# Altium PCB top.PcbDoc (part 3 of 5)
Units mil, origin at the board's own origin, x right, y up, seen from the top; angles counter-clockwise.
Board outline 12029.02 x 5828 mil, 2 copper layers (Top Layer, Bottom Layer); 703 components, 430 nets, 1840 pads, 2249 vias.
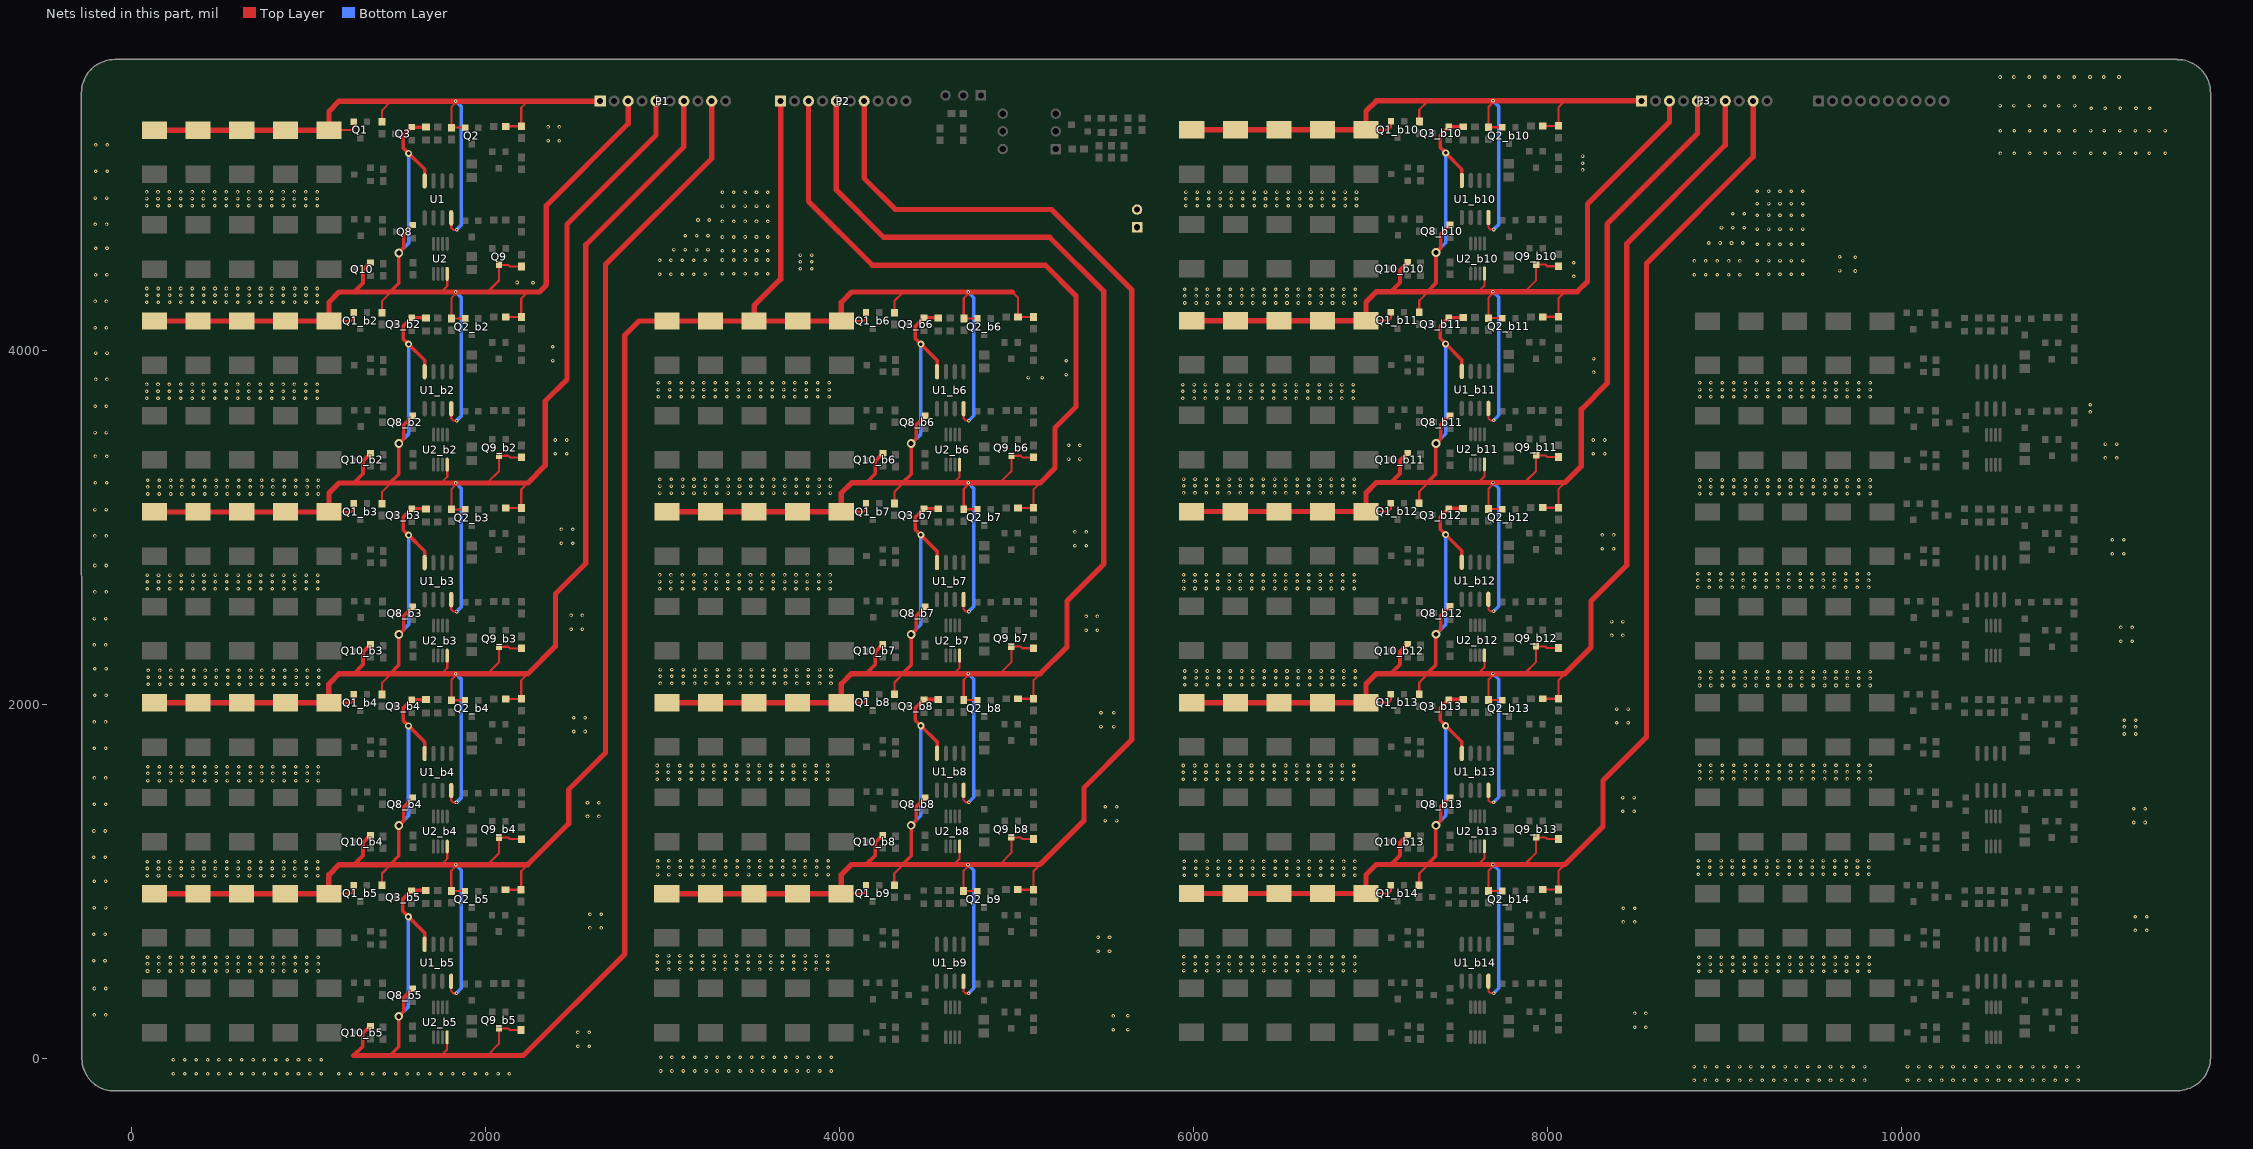
[diagram p3: the nets of this part, all layers, seen from the top]

## Via types
v1: diameter 20, hole 10, Top Layer to Bottom Layer, 2208 vias
v2: diameter 50, hole 28, Top Layer to Bottom Layer, 19 vias
v3: diameter 40, hole 20, Top Layer to Bottom Layer, 18 vias
v4: diameter 125.98, hole 125.98, Top Layer to Bottom Layer, 4 vias

## Nets (pads, with @x,y where several pads share a name; then routed paths per layer and width w, separated by ;. In a path a pad name is that pad's centre, name@x,y a point inside that pad or via, vN(x,y) a via of type N, cw(c..) or ccw(c..) an arc to the next point about the centre after c; other vN are vias at no path point) (continued)
GND: P6.1 P6.2
  other v1: 8830,-123 8894.25,-123 8958.5,-123 9022.75,-123 9087,-123 9151.25,-123 9215.5,-123 9279.75,-123 9344,-123 9408.25,-123 9472.5,-123 9536.75,-123 9601,-123 9665.25,-123 9729.5,-123 9793.75,-123 10036,-123 10100.25,-123 10164.5,-123 10228.75,-123 10293,-123 10357.25,-123 10421.5,-123 10485.75,-123 10550,-123 10614.25,-123 10678.5,-123 10742.75,-123 10807,-123 10871.25,-123 10935.5,-123 10999.75,-123 238.5,-85 302.75,-85 367,-85 431.25,-85 495.5,-85 559.75,-85 624,-85 688.25,-85 752.5,-85 816.75,-85 881,-85 945.25,-85 1009.5,-85 1073.75,-85 1173,-85 1237.25,-85 1301.5,-85 1365.75,-85 1430,-85 1494.25,-85 1558.5,-85 1622.75,-85 1687,-85 1751.25,-85 1815.5,-85 1879.75,-85 1944,-85 2008.25,-85 2072.5,-85 2136.75,-85 2991,-70 3055.25,-70 3119.5,-70 3183.75,-70 3248,-70 3312.25,-70 3376.5,-70 3440.75,-70 3505,-70 3569.25,-70 3633.5,-70 3697.75,-70 3762,-70 3826.25,-70 3890.5,-70 3954.75,-70 8830,-45 8894.25,-45 8958.5,-45 9022.75,-45 9087,-45 9151.25,-45 9215.5,-45 9279.75,-45 9344,-45 9408.25,-45 9472.5,-45 9536.75,-45 9601,-45 9665.25,-45 9729.5,-45 9793.75,-45 10036,-45 10100.25,-45 10164.5,-45 10228.75,-45 10293,-45 10357.25,-45 10421.5,-45 10485.75,-45 10550,-45 10614.25,-45 10678.5,-45 10742.75,-45 10807,-45 10871.25,-45 10935.5,-45 10999.75,-45 238.5,-7 302.75,-7 367,-7 431.25,-7 495.5,-7 559.75,-7 624,-7 688.25,-7 752.5,-7 816.75,-7 881,-7 945.25,-7 1009.5,-7 1073.75,-7 2991,8 3055.25,8 3119.5,8 3183.75,8 3248,8 3312.25,8 3376.5,8 3440.75,8 3505,8 3569.25,8 3633.5,8 3697.75,8 3762,8 3826.25,8 3890.5,8 3954.75,8 2524,70 2588.25,70 2524,148 2588.25,148 5549,163 5631.25,164 8494,177 8558.25,177 5549,241 5631.25,242 -208.25,247 -144,247 8494,255 8558.25,255 -208,396 -143.75,396 8856,494 8920.25,494 8984.5,494 9048.75,494 9113,494 9177.25,494 9241.5,494 9305.75,494 9370,494 9434.25,494 9498.5,494 9562.75,494 9627,494 9691.25,494 9755.5,494 9819.75,494 92,495 156.25,495 220.5,495 284.75,495 349,495 413.25,495 477.5,495 541.75,495 606,495 670.25,495 734.5,495 798.75,495 863,495 927.25,495 991.5,495 1055.75,495 5948,497 6012.25,497 6076.5,497 6140.75,497 6205,497 6269.25,497 6333.5,497 6397.75,497 6462,497 6526.25,497 6590.5,497 6654.75,497 6719,497 6783.25,497 6847.5,497 6911.75,497 2972,504 3036.25,504 3100.5,504 3164.75,504 3229,504 3293.25,504 3357.5,504 3421.75,504 3486,504 3550.25,504 3614.5,504 3678.75,504 3743,504 3807.25,504 3871.5,504 3935.75,504 8856,534 8920.25,534 8984.5,534 9048.75,534 9113,534 9177.25,534 9241.5,534 9305.75,534 9370,534 9434.25,534 9498.5,534 9562.75,534 9627,534 9691.25,534 9755.5,534 9819.75,534 92,535 156.25,535 220.5,535 284.75,535 349,535 413.25,535 477.5,535 541.75,535 606,535 670.25,535 734.5,535 798.75,535 863,535 927.25,535 991.5,535 1055.75,535 5948,537 6012.25,537 6076.5,537 6140.75,537 6205,537 6269.25,537 6333.5,537 6397.75,537 6462,537 6526.25,537 6590.5,537 6654.75,537 6719,537 6783.25,537 6847.5,537 6911.75,537 2972,544 3036.25,544 3100.5,544 3164.75,544 3229,544 3293.25,544 3357.5,544 3421.75,544 3486,544 3550.25,544 3614.5,544 3678.75,544 3743,544 3807.25,544 3871.5,544 3935.75,544 -212.25,553 -148,553 8856,572 8920.25,572 8984.5,572 9048.75,572 9113,572 9177.25,572 9241.5,572 9305.75,572 9370,572 9434.25,572 9498.5,572 9562.75,572 9627,572 9691.25,572 9755.5,572 9819.75,572 92,573 156.25,573 220.5,573 284.75,573 349,573 413.25,573 477.5,573 541.75,573 606,573 670.25,573 734.5,573 798.75,573 863,573 927.25,573 991.5,573 1055.75,573 5948,575 6012.25,575 6076.5,575 6140.75,575 6205,575 6269.25,575 6333.5,575 6397.75,575 6462,575 6526.25,575 6590.5,575 6654.75,575 6719,575 6783.25,575 6847.5,575 6911.75,575 2972,582 3036.25,582 3100.5,582 3164.75,582 3229,582 3293.25,582 3357.5,582 3421.75,582 3486,582 3550.25,582 3614.5,582 3678.75,582 3743,582 3807.25,582 3871.5,582 3935.75,582 5463,607 5527.25,607 5463,685 5527.25,685 -212,702 -147.75,702 11323,724 11387.25,724 2592,738 2656.25,738 8431,772 8495.25,772 11323,802 11387.25,802 2592,816 2656.25,816 8431,850 8495.25,850 -209.25,853 -145,853 -209,1002 -144.75,1002 90,1034 154.25,1034 218.5,1034 282.75,1034 347,1034 411.25,1034 475.5,1034 539.75,1034 604,1034 668.25,1034 732.5,1034 796.75,1034 861,1034 925.25,1034 989.5,1034 1053.75,1034 5950,1036 6014.25,1036 6078.5,1036 6142.75,1036 6207,1036 6271.25,1036 6335.5,1036 6399.75,1036 6464,1036 6528.25,1036 6592.5,1036 6656.75,1036 6721,1036 6785.25,1036 6849.5,1036 6913.75,1036 2974,1040 3038.25,1040 3102.5,1040 3166.75,1040 3231,1040 3295.25,1040 3359.5,1040 3423.75,1040 3488,1040 3552.25,1040 3616.5,1040 3680.75,1040 3745,1040 3809.25,1040 3873.5,1040 3937.75,1040 8854,1041 8918.25,1041 8982.5,1041 9046.75,1041 9111,1041 9175.25,1041 9239.5,1041 9303.75,1041 9368,1041 9432.25,1041 9496.5,1041 9560.75,1041 9625,1041 9689.25,1041 9753.5,1041 9817.75,1041 90,1074 154.25,1074 218.5,1074 282.75,1074 347,1074 411.25,1074 475.5,1074 539.75,1074 604,1074 668.25,1074 732.5,1074 796.75,1074 861,1074 925.25,1074 989.5,1074 1053.75,1074 5950,1076 6014.25,1076 6078.5,1076 6142.75,1076 6207,1076 6271.25,1076 6335.5,1076 6399.75,1076 6464,1076 6528.25,1076 6592.5,1076 6656.75,1076 6721,1076 6785.25,1076 6849.5,1076 6913.75,1076 2974,1080 3038.25,1080 3102.5,1080 3166.75,1080 3231,1080 3295.25,1080 3359.5,1080 3423.75,1080 3488,1080 3552.25,1080 3616.5,1080 3680.75,1080 3745,1080 3809.25,1080 3873.5,1080 3937.75,1080 8854,1081 8918.25,1081 8982.5,1081 9046.75,1081 9111,1081 9175.25,1081 9239.5,1081 9303.75,1081 9368,1081 9432.25,1081 9496.5,1081 9560.75,1081 9625,1081 9689.25,1081 9753.5,1081 9817.75,1081 90,1112 154.25,1112 218.5,1112 282.75,1112 347,1112 411.25,1112 475.5,1112 539.75,1112 604,1112 668.25,1112 732.5,1112 796.75,1112 861,1112 925.25,1112 989.5,1112 1053.75,1112 5950,1114 6014.25,1114 6078.5,1114 6142.75,1114 6207,1114 6271.25,1114 6335.5,1114 6399.75,1114 6464,1114 6528.25,1114 6592.5,1114 6656.75,1114 6721,1114 6785.25,1114 6849.5,1114 6913.75,1114 2974,1118 3038.25,1118 3102.5,1118 3166.75,1118 3231,1118 3295.25,1118 3359.5,1118 3423.75,1118 3488,1118 3552.25,1118 3616.5,1118 3680.75,1118 3745,1118 3809.25,1118 3873.5,1118 3937.75,1118 8854,1119 8918.25,1119 8982.5,1119 9046.75,1119 9111,1119 9175.25,1119 9239.5,1119 9303.75,1119 9368,1119 9432.25,1119 9496.5,1119 9560.75,1119 9625,1119 9689.25,1119 9753.5,1119 9817.75,1119 -211.25,1137 -147,1137 -211,1286 -146.75,1286 11314,1334 11378.25,1334 5503,1345 5567.25,1345 2578,1368 2642.25,1368 8427,1397 8491.25,1397 11314,1412 11378.25,1412 5503,1423 5567.25,1423 -208.25,1437 -144,1437 2578,1446 2642.25,1446 8427,1475 8491.25,1475 94,1571 158.25,1571 222.5,1571 286.75,1571 351,1571 415.25,1571 479.5,1571 543.75,1571 608,1571 672.25,1571 736.5,1571 800.75,1571 865,1571 929.25,1571 993.5,1571 1057.75,1571 2971,1578 3035.25,1578 3099.5,1578 3163.75,1578 3228,1578 3292.25,1578 3356.5,1578 3420.75,1578 3485,1578 3549.25,1578 3613.5,1578 3677.75,1578 3742,1578 3806.25,1578 3870.5,1578 3934.75,1578 5944,1578 6008.25,1578 6072.5,1578 6136.75,1578 6201,1578 6265.25,1578 6329.5,1578 6393.75,1578 6458,1578 6522.25,1578 6586.5,1578 6650.75,1578 6715,1578 6779.25,1578 6843.5,1578 6907.75,1578 8861,1580 8925.25,1580 8989.5,1580 9053.75,1580 9118,1580 9182.25,1580 9246.5,1580 9310.75,1580 9375,1580 9439.25,1580 9503.5,1580 9567.75,1580 9632,1580 9696.25,1580 9760.5,1580 9824.75,1580 -208,1586 -143.75,1586 94,1611 158.25,1611 222.5,1611 286.75,1611 351,1611 415.25,1611 479.5,1611 543.75,1611 608,1611 672.25,1611 736.5,1611 800.75,1611 865,1611 929.25,1611 993.5,1611 1057.75,1611 2971,1618 3035.25,1618 3099.5,1618 3163.75,1618 3228,1618 3292.25,1618 3356.5,1618 3420.75,1618 3485,1618 3549.25,1618 3613.5,1618 3677.75,1618 3742,1618 3806.25,1618 3870.5,1618 3934.75,1618 5944,1618 6008.25,1618 6072.5,1618 6136.75,1618 6201,1618 6265.25,1618 6329.5,1618 6393.75,1618 6458,1618 6522.25,1618 6586.5,1618 6650.75,1618 6715,1618 6779.25,1618 6843.5,1618 6907.75,1618 8861,1620 8925.25,1620 8989.5,1620 9053.75,1620 9118,1620 9182.25,1620 9246.5,1620 9310.75,1620 9375,1620 9439.25,1620 9503.5,1620 9567.75,1620 9632,1620 9696.25,1620 9760.5,1620 9824.75,1620 94,1649 158.25,1649 222.5,1649 286.75,1649 351,1649 415.25,1649 479.5,1649 543.75,1649 608,1649 672.25,1649 736.5,1649 800.75,1649 865,1649 929.25,1649 993.5,1649 1057.75,1649 2971,1656 3035.25,1656 3099.5,1656 3163.75,1656 3228,1656 3292.25,1656 3356.5,1656 3420.75,1656 3485,1656 3549.25,1656 3613.5,1656 3677.75,1656 3742,1656 3806.25,1656 3870.5,1656 3934.75,1656 5944,1656 6008.25,1656 6072.5,1656 6136.75,1656 6201,1656 6265.25,1656 6329.5,1656 6393.75,1656 6458,1656 6522.25,1656 6586.5,1656 6650.75,1656 6715,1656 6779.25,1656 6843.5,1656 6907.75,1656 8861,1658 8925.25,1658 8989.5,1658 9053.75,1658 9118,1658 9182.25,1658 9246.5,1658 9310.75,1658 9375,1658 9439.25,1658 9503.5,1658 9567.75,1658 9632,1658 9696.25,1658 9760.5,1658 9824.75,1658 -209.25,1753 -145,1753 11261,1834 11325.25,1834 2500,1848 2564.25,1848 11261,1874 11325.25,1874 5479.25,1876 5552.25,1876 8393,1897 8457.25,1897 -209,1902 -144.75,1902 11261,1912 11325.25,1912 2500,1926 2564.25,1926 5479.25,1954 5552.25,1954 8393,1975 8457.25,1975 -206.25,2053 -142,2053 8861,2108 8925.25,2108 8989.5,2108 9053.75,2108 9118,2108 9182.25,2108 9246.5,2108 9310.75,2108 9375,2108 9439.25,2108 9503.5,2108 9567.75,2108 9632,2108 9696.25,2108 9760.5,2108 9824.75,2108 5952,2112 6016.25,2112 6080.5,2112 6144.75,2112 6209,2112 6273.25,2112 6337.5,2112 6401.75,2112 6466,2112 6530.25,2112 6594.5,2112 6658.75,2112 6723,2112 6787.25,2112 6851.5,2112 6915.75,2112 96,2115 160.25,2115 224.5,2115 288.75,2115 353,2115 417.25,2115 481.5,2115 545.75,2115 610,2115 674.25,2115 738.5,2115 802.75,2115 867,2115 931.25,2115 995.5,2115 1059.75,2115 2990,2120 3054.25,2120 3118.5,2120 3182.75,2120 3247,2120 3311.25,2120 3375.5,2120 3439.75,2120 3504,2120 3568.25,2120 3632.5,2120 3696.75,2120 3761,2120 3825.25,2120 3889.5,2120 3953.75,2120 8861,2148 8925.25,2148 8989.5,2148 9053.75,2148 9118,2148 9182.25,2148 9246.5,2148 9310.75,2148 9375,2148 9439.25,2148 9503.5,2148 9567.75,2148 9632,2148 9696.25,2148 9760.5,2148 9824.75,2148 5952,2152 6016.25,2152 6080.5,2152 6144.75,2152 6209,2152 6273.25,2152 6337.5,2152 6401.75,2152 6466,2152 6530.25,2152 6594.5,2152 6658.75,2152 6723,2152 6787.25,2152 6851.5,2152 6915.75,2152 96,2155 160.25,2155 224.5,2155 288.75,2155 353,2155 417.25,2155 481.5,2155 545.75,2155 610,2155 674.25,2155 738.5,2155 802.75,2155 867,2155 931.25,2155 995.5,2155 1059.75,2155 2990,2160 3054.25,2160 3118.5,2160 3182.75,2160 3247,2160 3311.25,2160 3375.5,2160 3439.75,2160 3504,2160 3568.25,2160 3632.5,2160 3696.75,2160 3761,2160 3825.25,2160 3889.5,2160 3953.75,2160 8861,2186 8925.25,2186 8989.5,2186 9053.75,2186 9118,2186 9182.25,2186 9246.5,2186 9310.75,2186 9375,2186 9439.25,2186 9503.5,2186 9567.75,2186 9632,2186 9696.25,2186 9760.5,2186 9824.75,2186 5952,2190 6016.25,2190 6080.5,2190 6144.75,2190 6209,2190 6273.25,2190 6337.5,2190 6401.75,2190 6466,2190 6530.25,2190 6594.5,2190 6658.75,2190 6723,2190 6787.25,2190 6851.5,2190 6915.75,2190 96,2193 160.25,2193 224.5,2193 288.75,2193 353,2193 417.25,2193 481.5,2193 545.75,2193 610,2193 674.25,2193 738.5,2193 802.75,2193 867,2193 931.25,2193 995.5,2193 1059.75,2193 2990,2198 3054.25,2198 3118.5,2198 3182.75,2198 3247,2198 3311.25,2198 3375.5,2198 3439.75,2198 3504,2198 3568.25,2198 3632.5,2198 3696.75,2198 3761,2198 3825.25,2198 3889.5,2198 3953.75,2198 -206,2202 -141.75,2202 -208.25,2337 -144,2337 11242,2358 11306.25,2358 8364,2391 8428.25,2391 5395,2420 5459.25,2420 2485,2426 2549.25,2426 11242,2436 11306.25,2436 8364,2469 8428.25,2469 -208,2486 -143.75,2486 5395,2498 5459.25,2498 2485,2504 2549.25,2504 -205.25,2637 -141,2637 90,2654 154.25,2654 218.5,2654 282.75,2654 347,2654 411.25,2654 475.5,2654 539.75,2654 604,2654 668.25,2654 732.5,2654 796.75,2654 861,2654 925.25,2654 989.5,2654 1053.75,2654 2985,2655 3049.25,2655 3113.5,2655 3177.75,2655 3242,2655 3306.25,2655 3370.5,2655 3434.75,2655 3499,2655 3563.25,2655 3627.5,2655 3691.75,2655 3756,2655 3820.25,2655 3884.5,2655 3948.75,2655 5946,2656 6010.25,2656 6074.5,2656 6138.75,2656 6203,2656 6267.25,2656 6331.5,2656 6395.75,2656 6460,2656 6524.25,2656 6588.5,2656 6652.75,2656 6717,2656 6781.25,2656 6845.5,2656 6909.75,2656 8852,2662 8916.25,2662 8980.5,2662 9044.75,2662 9109,2662 9173.25,2662 9237.5,2662 9301.75,2662 9366,2662 9430.25,2662 9494.5,2662 9558.75,2662 9623,2662 9687.25,2662 9751.5,2662 9815.75,2662 90,2694 154.25,2694 218.5,2694 282.75,2694 347,2694 411.25,2694 475.5,2694 539.75,2694 604,2694 668.25,2694 732.5,2694 796.75,2694 861,2694 925.25,2694 989.5,2694 1053.75,2694 2985,2695 3049.25,2695 3113.5,2695 3177.75,2695 3242,2695 3306.25,2695 3370.5,2695 3434.75,2695 3499,2695 3563.25,2695 3627.5,2695 3691.75,2695 3756,2695 3820.25,2695 3884.5,2695 3948.75,2695 5946,2696 6010.25,2696 6074.5,2696 6138.75,2696 6203,2696 6267.25,2696 6331.5,2696 6395.75,2696 6460,2696 6524.25,2696 6588.5,2696 6652.75,2696 6717,2696 6781.25,2696 6845.5,2696 6909.75,2696 8852,2702 8916.25,2702 8980.5,2702 9044.75,2702 9109,2702 9173.25,2702 9237.5,2702 9301.75,2702 9366,2702 9430.25,2702 9494.5,2702 9558.75,2702 9623,2702 9687.25,2702 9751.5,2702 9815.75,2702 90,2732 154.25,2732 218.5,2732 282.75,2732 347,2732 411.25,2732 475.5,2732 539.75,2732 604,2732 668.25,2732 732.5,2732 796.75,2732 861,2732 925.25,2732 989.5,2732 1053.75,2732 2985,2733 3049.25,2733 3113.5,2733 3177.75,2733 3242,2733 3306.25,2733 3370.5,2733 3434.75,2733 3499,2733 3563.25,2733 3627.5,2733 3691.75,2733 3756,2733 3820.25,2733 3884.5,2733 3948.75,2733 5946,2734 6010.25,2734 6074.5,2734 6138.75,2734 6203,2734 6267.25,2734 6331.5,2734 6395.75,2734 6460,2734 6524.25,2734 6588.5,2734 6652.75,2734 6717,2734 6781.25,2734 6845.5,2734 6909.75,2734 8852,2740 8916.25,2740 8980.5,2740 9044.75,2740 9109,2740 9173.25,2740 9237.5,2740 9301.75,2740 9366,2740 9430.25,2740 9494.5,2740 9558.75,2740 9623,2740 9687.25,2740 9751.5,2740 9815.75,2740 -205,2786 -140.75,2786 11194,2853 11258.25,2853 8311,2881 8375.25,2881 5332,2898 5396.25,2898 2431,2912 2495.25,2912 11194,2931 11258.25,2931 -205.25,2953 -141,2953 8311,2959 8375.25,2959 5332,2976 5396.25,2976 2431,2990 2495.25,2990 -205,3102 -140.75,3102 94,3190 158.25,3190 222.5,3190 286.75,3190 351,3190 415.25,3190 479.5,3190 543.75,3190 608,3190 672.25,3190 736.5,3190 800.75,3190 865,3190 929.25,3190 993.5,3190 1057.75,3190 8861,3191 8925.25,3191 8989.5,3191 9053.75,3191 9118,3191 9182.25,3191 9246.5,3191 9310.75,3191 9375,3191 9439.25,3191 9503.5,3191 9567.75,3191 9632,3191 9696.25,3191 9760.5,3191 9824.75,3191 2987,3195 3051.25,3195 3115.5,3195 3179.75,3195 3244,3195 3308.25,3195 3372.5,3195 3436.75,3195 3501,3195 3565.25,3195 3629.5,3195 3693.75,3195 3758,3195 3822.25,3195 3886.5,3195 3950.75,3195 5946,3196 6010.25,3196 6074.5,3196 6138.75,3196 6203,3196 6267.25,3196 6331.5,3196 6395.75,3196 6460,3196 6524.25,3196 6588.5,3196 6652.75,3196 6717,3196 6781.25,3196 6845.5,3196 6909.75,3196 94,3230 158.25,3230 222.5,3230 286.75,3230 351,3230 415.25,3230 479.5,3230 543.75,3230 608,3230 672.25,3230 736.5,3230 800.75,3230 865,3230 929.25,3230 993.5,3230 1057.75,3230 8861,3231 8925.25,3231 8989.5,3231 9053.75,3231 9118,3231 9182.25,3231 9246.5,3231 9310.75,3231 9375,3231 9439.25,3231 9503.5,3231 9567.75,3231 9632,3231 9696.25,3231 9760.5,3231 9824.75,3231 2987,3235 3051.25,3235 3115.5,3235 3179.75,3235 3244,3235 3308.25,3235 3372.5,3235 3436.75,3235 3501,3235 3565.25,3235 3629.5,3235 3693.75,3235 3758,3235 3822.25,3235 3886.5,3235 3950.75,3235 5946,3236 6010.25,3236 6074.5,3236 6138.75,3236 6203,3236 6267.25,3236 6331.5,3236 6395.75,3236 6460,3236 6524.25,3236 6588.5,3236 6652.75,3236 6717,3236 6781.25,3236 6845.5,3236 6909.75,3236 -202.25,3253 -138,3253 94,3268 158.25,3268 222.5,3268 286.75,3268 351,3268 415.25,3268 479.5,3268 543.75,3268 608,3268 672.25,3268 736.5,3268 800.75,3268 865,3268 929.25,3268 993.5,3268 1057.75,3268 8861,3269 8925.25,3269 8989.5,3269 9053.75,3269 9118,3269 9182.25,3269 9246.5,3269 9310.75,3269 9375,3269 9439.25,3269 9503.5,3269 9567.75,3269 9632,3269 9696.25,3269 9760.5,3269 9824.75,3269 2987,3273 3051.25,3273 3115.5,3273 3179.75,3273 3244,3273 3308.25,3273 3372.5,3273 3436.75,3273 3501,3273 3565.25,3273 3629.5,3273 3693.75,3273 3758,3273 3822.25,3273 3886.5,3273 3950.75,3273 5946,3274 6010.25,3274 6074.5,3274 6138.75,3274 6203,3274 6267.25,3274 6331.5,3274 6395.75,3274 6460,3274 6524.25,3274 6588.5,3274 6652.75,3274 6717,3274 6781.25,3274 6845.5,3274 6909.75,3274 5296,3387 5360.25,3387 11154,3394 11218.25,3394 -202,3402 -137.75,3402 2396,3417 2460.25,3417 8260,3417 8324.25,3417 5296,3465 5360.25,3465 11154,3472 11218.25,3472 2396,3495 2460.25,3495 8260,3495 8324.25,3495 -204.25,3537 -140,3537 11068,3654 -204,3686 -139.75,3686 11068,3694 5941,3730 6005.25,3730 6069.5,3730 6133.75,3730 6198,3730 6262.25,3730 6326.5,3730 6390.75,3730 6455,3730 6519.25,3730 6583.5,3730 6647.75,3730 6712,3730 6776.25,3730 6840.5,3730 6904.75,3730 87,3731 151.25,3731 215.5,3731 279.75,3731 344,3731 408.25,3731 472.5,3731 536.75,3731 601,3731 665.25,3731 729.5,3731 793.75,3731 858,3731 922.25,3731 986.5,3731 1050.75,3731 2979,3740 3043.25,3740 3107.5,3740 3171.75,3740 3236,3740 3300.25,3740 3364.5,3740 3428.75,3740 3493,3740 3557.25,3740 3621.5,3740 3685.75,3740 3750,3740 3814.25,3740 3878.5,3740 3942.75,3740 8861,3740 8925.25,3740 8989.5,3740 9053.75,3740 9118,3740 9182.25,3740 9246.5,3740 9310.75,3740 9375,3740 9439.25,3740 9503.5,3740 9567.75,3740 9632,3740 9696.25,3740 9760.5,3740 9824.75,3740 5941,3770 6005.25,3770 6069.5,3770 6133.75,3770 6198,3770 6262.25,3770 6326.5,3770 6390.75,3770 6455,3770 6519.25,3770 6583.5,3770 6647.75,3770 6712,3770 6776.25,3770 6840.5,3770 6904.75,3770 87,3771 151.25,3771 215.5,3771 279.75,3771 344,3771 408.25,3771 472.5,3771 536.75,3771 601,3771 665.25,3771 729.5,3771 793.75,3771 858,3771 922.25,3771 986.5,3771 1050.75,3771 2979,3780 3043.25,3780 3107.5,3780 3171.75,3780 3236,3780 3300.25,3780 3364.5,3780 3428.75,3780 3493,3780 3557.25,3780 3621.5,3780 3685.75,3780 3750,3780 3814.25,3780 3878.5,3780 3942.75,3780 8861,3780 8925.25,3780 8989.5,3780 9053.75,3780 9118,3780 9182.25,3780 9246.5,3780 9310.75,3780 9375,3780 9439.25,3780 9503.5,3780 9567.75,3780 9632,3780 9696.25,3780 9760.5,3780 9824.75,3780 5941,3808 6005.25,3808 6069.5,3808 6133.75,3808 6198,3808 6262.25,3808 6326.5,3808 6390.75,3808 6455,3808 6519.25,3808 6583.5,3808 6647.75,3808 6712,3808 6776.25,3808 6840.5,3808 6904.75,3808 87,3809 151.25,3809 215.5,3809 279.75,3809 344,3809 408.25,3809 472.5,3809 536.75,3809 601,3809 665.25,3809 729.5,3809 793.75,3809 858,3809 922.25,3809 986.5,3809 1050.75,3809 2979,3818 3043.25,3818 3107.5,3818 3171.75,3818 3236,3818 3300.25,3818 3364.5,3818 3428.75,3818 3493,3818 3557.25,3818 3621.5,3818 3685.75,3818 3750,3818 3814.25,3818 3878.5,3818 3942.75,3818 8861,3818 8925.25,3818 8989.5,3818 9053.75,3818 9118,3818 9182.25,3818 9246.5,3818 9310.75,3818 9375,3818 9439.25,3818 9503.5,3818 9567.75,3818 9632,3818 9696.25,3818 9760.5,3818 9824.75,3818 -201.25,3837 -137,3837 5069,3848 5147,3848 5283,3865 8262,3877 5283,3943 2382,3944 8262,3955 -201,3986 -136.75,3986 2382,4022 -204.25,4129 -140,4129 5952,4269 6016.25,4269 6080.5,4269 6144.75,4269 6209,4269 6273.25,4269 6337.5,4269 6401.75,4269 6466,4269 6530.25,4269 6594.5,4269 6658.75,4269 6723,4269 6787.25,4269 6851.5,4269 6915.75,4269 88,4273 152.25,4273 216.5,4273 280.75,4273 345,4273 409.25,4273 473.5,4273 537.75,4273 602,4273 666.25,4273 730.5,4273 794.75,4273 859,4273 923.25,4273 987.5,4273 1051.75,4273 -204,4278 -139.75,4278 5952,4309 6016.25,4309 6080.5,4309 6144.75,4309 6209,4309 6273.25,4309 6337.5,4309 6401.75,4309 6466,4309 6530.25,4309 6594.5,4309 6658.75,4309 6723,4309 6787.25,4309 6851.5,4309 6915.75,4309 88,4313 152.25,4313 216.5,4313 280.75,4313 345,4313 409.25,4313 473.5,4313 537.75,4313 602,4313 666.25,4313 730.5,4313 794.75,4313 859,4313 923.25,4313 987.5,4313 1051.75,4313 5952,4347 6016.25,4347 6080.5,4347 6144.75,4347 6209,4347 6273.25,4347 6337.5,4347 6401.75,4347 6466,4347 6530.25,4347 